# Altium PCB CU-ON-OFF-V2-08-11-18.PcbDoc (part 14 of 14)
Units mm, origin at the board's own origin, x right, y up, seen from the top; angles counter-clockwise.
Board outline 213 x 122.62 mm, 2 copper layers (Top Layer, Bottom Layer); 304 components, 53 nets, 991 pads, 702 vias.
Unrouted connection lines stored in the file: 1.
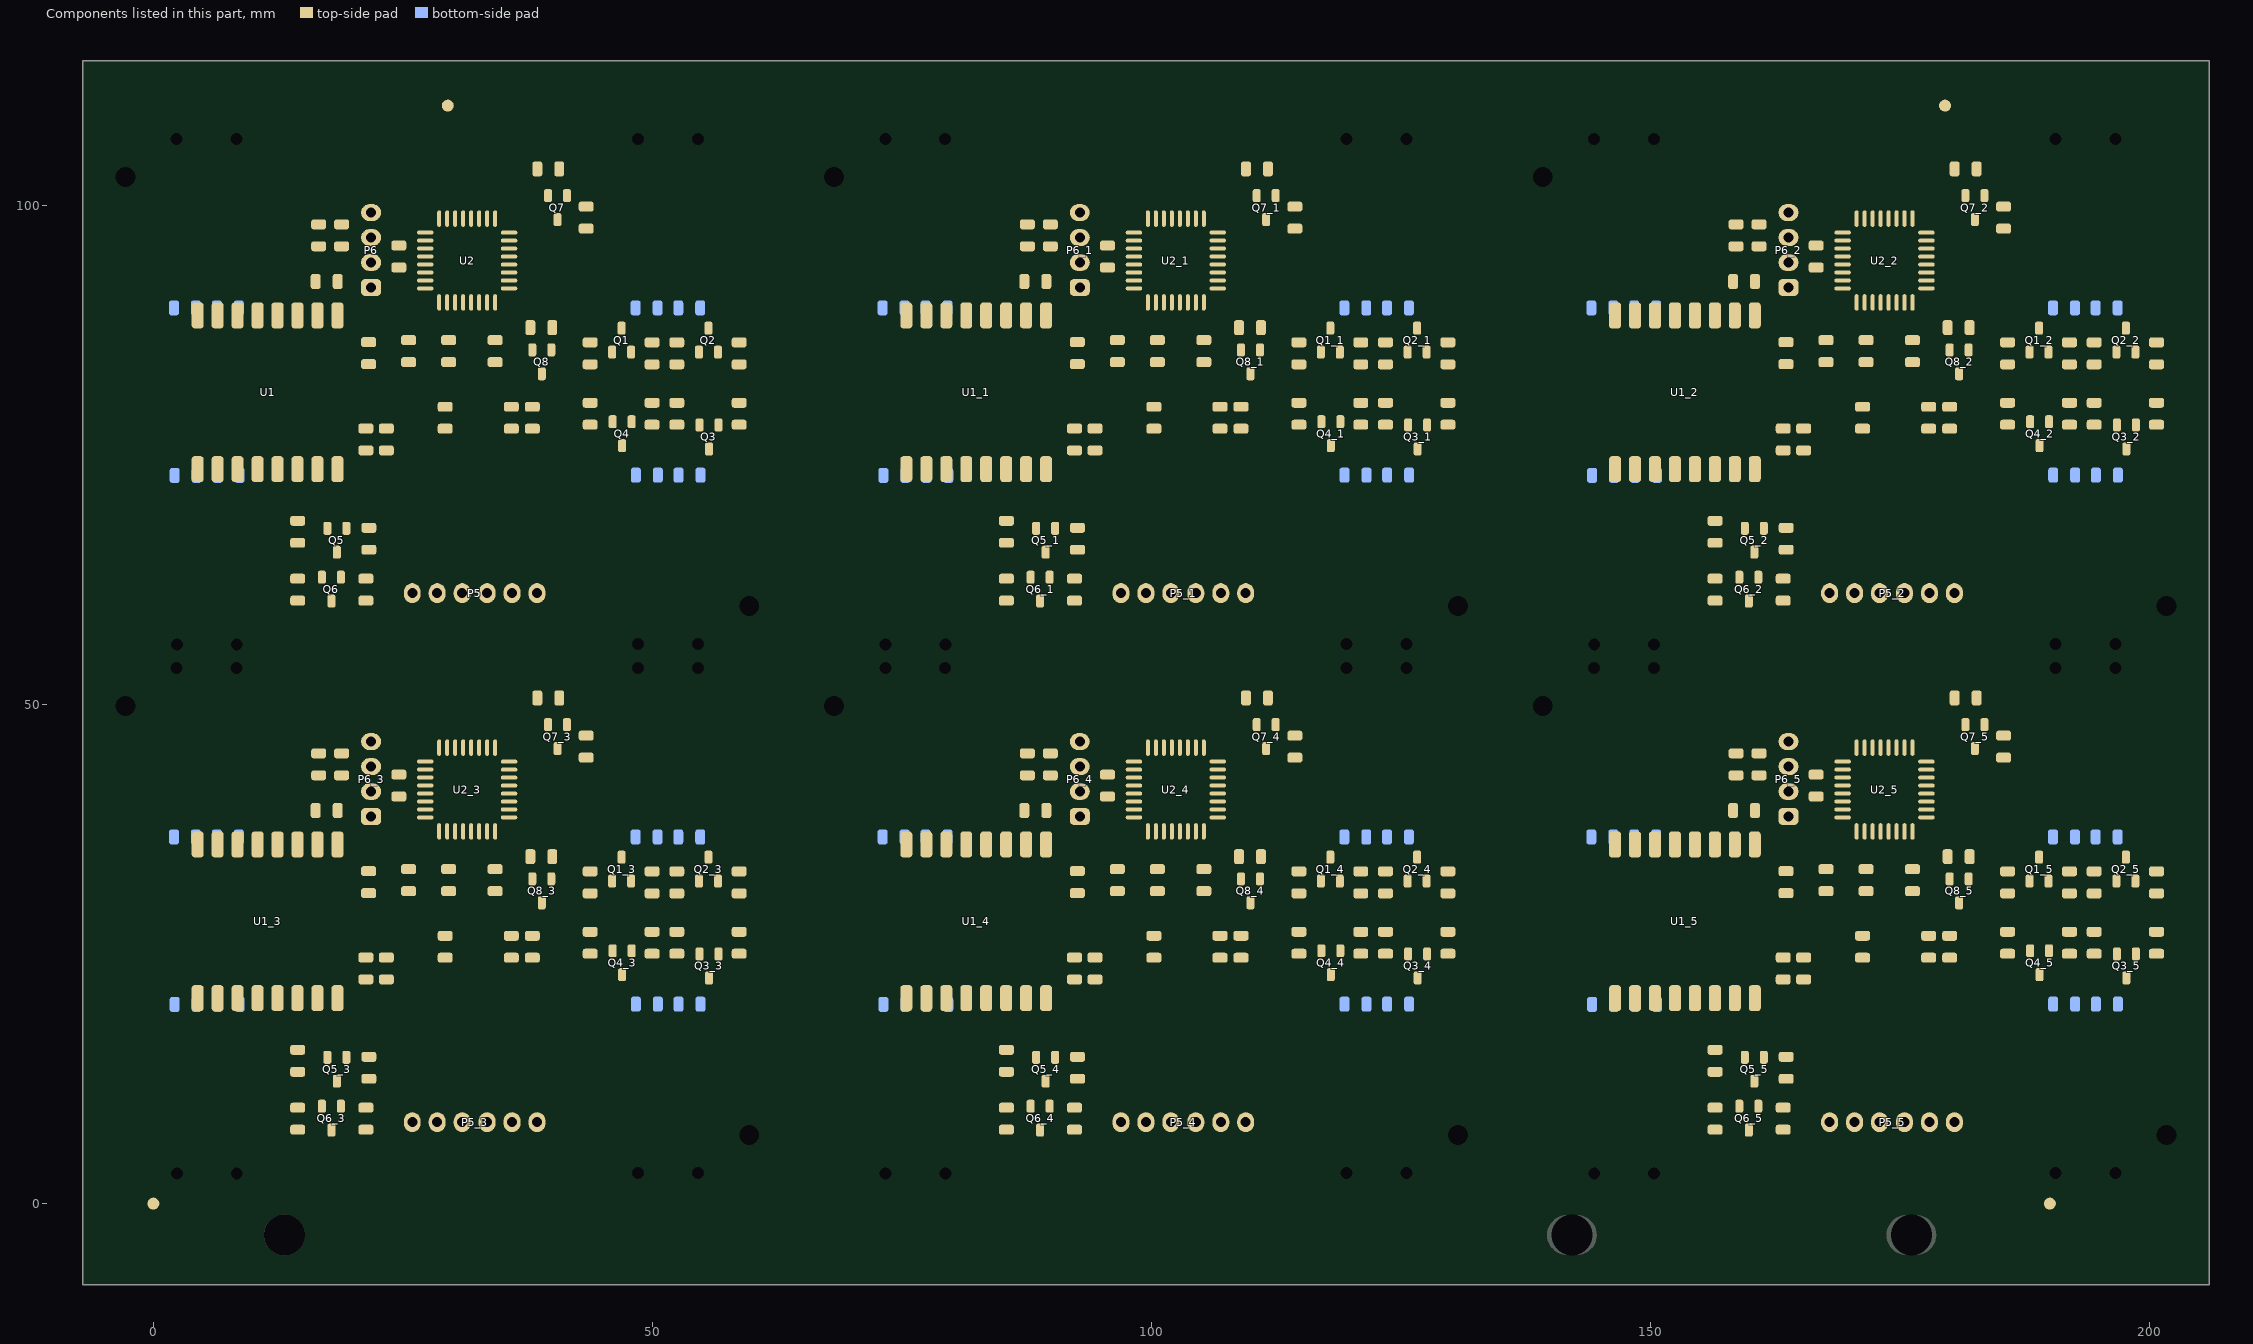
[diagram p14: the components of this part, seen from the top]

## Silkscreen, mask and mechanical layers (free items; w line width, h text height)
Top Overlay:
  rectangle: 151.266,32.807 153.666,34.132
  rectangle: 147.216,34.307 147.666,37.707
  rectangle: 149.216,34.307 149.666,37.707
  rectangle: 151.216,34.307 151.666,37.707
  rectangle: 153.216,34.307 153.666,37.707
  rectangle: 155.216,34.307 155.666,37.707
  rectangle: 157.216,34.307 157.666,37.707
  rectangle: 159.216,34.307 159.666,37.707
  rectangle: 147.216,18.832 147.666,22.182
  rectangle: 149.216,18.832 149.666,22.182
  rectangle: 151.216,18.832 151.666,22.182
  rectangle: 153.216,18.832 153.666,22.182
  rectangle: 155.216,18.832 155.666,22.182
  rectangle: 157.216,18.832 157.666,22.182
  rectangle: 159.216,18.832 159.666,22.182
  rectangle: 80.266,32.807 82.666,34.132
  rectangle: 76.216,34.307 76.666,37.707
  rectangle: 78.216,34.307 78.666,37.707
  rectangle: 80.216,34.307 80.666,37.707
  rectangle: 82.216,34.307 82.666,37.707
  rectangle: 84.216,34.307 84.666,37.707
  rectangle: 86.216,34.307 86.666,37.707
  rectangle: 88.216,34.307 88.666,37.707
  rectangle: 76.216,18.832 76.666,22.182
  rectangle: 78.216,18.832 78.666,22.182
  rectangle: 80.216,18.832 80.666,22.182
  rectangle: 82.216,18.832 82.666,22.182
  rectangle: 84.216,18.832 84.666,22.182
  rectangle: 86.216,18.832 86.666,22.182
  rectangle: 88.216,18.832 88.666,22.182
  rectangle: 9.266,32.807 11.666,34.132
  rectangle: 5.216,34.307 5.666,37.707
  rectangle: 7.216,34.307 7.666,37.707
  rectangle: 9.216,34.307 9.666,37.707
  rectangle: 11.216,34.307 11.666,37.707
  rectangle: 13.216,34.307 13.666,37.707
  rectangle: 15.216,34.307 15.666,37.707
  rectangle: 17.216,34.307 17.666,37.707
  rectangle: 5.216,18.832 5.666,22.182
  rectangle: 7.216,18.832 7.666,22.182
  rectangle: 9.216,18.832 9.666,22.182
  rectangle: 11.216,18.832 11.666,22.182
  rectangle: 13.216,18.832 13.666,22.182
  rectangle: 15.216,18.832 15.666,22.182
  rectangle: 17.216,18.832 17.666,22.182
  rectangle: 151.266,85.806 153.666,87.131
  rectangle: 147.216,87.306 147.666,90.706
  rectangle: 149.216,87.306 149.666,90.706
  rectangle: 151.216,87.306 151.666,90.706
  rectangle: 153.216,87.306 153.666,90.706
  rectangle: 155.216,87.306 155.666,90.706
  rectangle: 157.216,87.306 157.666,90.706
  rectangle: 159.216,87.306 159.666,90.706
  rectangle: 147.216,71.831 147.666,75.181
  rectangle: 149.216,71.831 149.666,75.181
  rectangle: 151.216,71.831 151.666,75.181
  rectangle: 153.216,71.831 153.666,75.181
  rectangle: 155.216,71.831 155.666,75.181
  rectangle: 157.216,71.831 157.666,75.181
  rectangle: 159.216,71.831 159.666,75.181
  rectangle: 80.266,85.806 82.666,87.131
  rectangle: 76.216,87.306 76.666,90.706
  rectangle: 78.216,87.306 78.666,90.706
  rectangle: 80.216,87.306 80.666,90.706
  rectangle: 82.216,87.306 82.666,90.706
  rectangle: 84.216,87.306 84.666,90.706
  rectangle: 86.216,87.306 86.666,90.706
  rectangle: 88.216,87.306 88.666,90.706
  rectangle: 76.216,71.831 76.666,75.181
  rectangle: 78.216,71.831 78.666,75.181
  rectangle: 80.216,71.831 80.666,75.181
  rectangle: 82.216,71.831 82.666,75.181
  rectangle: 84.216,71.831 84.666,75.181
  rectangle: 86.216,71.831 86.666,75.181
  rectangle: 88.216,71.831 88.666,75.181
  rectangle: 17.216,71.831 17.666,75.181
  rectangle: 15.216,71.831 15.666,75.181
  rectangle: 13.216,71.831 13.666,75.181
  rectangle: 11.216,71.831 11.666,75.181
  rectangle: 9.216,71.831 9.666,75.181
  rectangle: 7.216,71.831 7.666,75.181
  rectangle: 5.216,71.831 5.666,75.181
  rectangle: 17.216,87.306 17.666,90.706
  rectangle: 15.216,87.306 15.666,90.706
  rectangle: 13.216,87.306 13.666,90.706
  rectangle: 11.216,87.306 11.666,90.706
  rectangle: 9.216,87.306 9.666,90.706
  rectangle: 7.216,87.306 7.666,90.706
  rectangle: 5.216,87.306 5.666,90.706
  rectangle: 9.266,85.806 11.666,87.131
  lines w0.2: -4.55,4.351 61.45,4.351 61.45,52.351 -4.55,52.351 -4.55,4.351 ; -4.55,57.35 -4.55,105.35 61.45,105.35 61.45,57.35 -4.55,57.35 ; 66.45,4.351 132.45,4.351 132.45,52.351 66.45,52.351 66.45,4.351 ; 66.45,57.35 132.45,57.35 132.45,105.35 66.45,105.35 66.45,57.35 ; 137.45,4.351 203.45,4.351 203.45,52.351 137.45,52.351 137.45,4.351 ; 137.45,57.35 203.45,57.35 203.45,105.35 137.45,105.35 137.45,57.35
  lines w1: 37.685,-4.649 37.685,-1.149 ; 38.36,109.499 38.36,112.999 ; 162.01,109.649 162.01,113.149 ; 163.86,-3.874 163.86,-0.374 ; 37.685,-1.149 39.185,-2.649 ; 37.685,-1.149 36.185,-2.649 39.185,-2.649 ; 38.36,112.999 36.86,111.499 39.86,111.499 ; 38.36,112.999 39.86,111.499 ; 39.185,-2.649 39.185,-2.649 ; 39.86,111.499 39.86,111.499 ; 162.01,113.149 160.51,111.649 163.51,111.649 ; 162.01,113.149 163.51,111.649 ; 163.51,111.649 163.51,111.649 ; 163.86,-0.374 165.36,-1.874 ; 163.86,-0.374 162.36,-1.874 165.36,-1.874 ; 165.36,-1.874 165.36,-1.874
  text "DR-ON-OFF-V2" at 83.975,109.975 h4.5
  text "R15" at 31.975,103.4 h0.8
  text "R15" at 102.975,103.4 h0.8
  text "R15" at 173.975,103.4 h0.8
  text "BK" at 21.316,102.431 h0.7
  text "BK" at 92.316,102.431 h0.7
  text "BK" at 163.316,102.431 h0.7
  text "RSET" at 20.741,101.331 h0.7
  text "RSET" at 91.741,101.331 h0.7
  text "RSET" at 162.741,101.331 h0.7
  text "U2" at 26.641,100.406 h0.8
  text "U2" at 97.641,100.406 h0.8
  text "U2" at 168.641,100.406 h0.8
  text "C4" at 17.283,99.049 h0.8
  text "C4" at 88.283,99.049 h0.8
  text "C4" at 159.283,99.049 h0.8
  text "R22" at 14.433,98.999 h0.8
  text "R22" at 85.433,98.999 h0.8
  text "R22" at 156.433,98.999 h0.8
  text "Q7" at 41.733,97.074 h0.8 r180
  text "Q7" at 112.733,97.074 h0.8 r180
  text "Q7" at 183.733,97.074 h0.8 r180
  text "R7" at 44.408,96.349 h0.8 r180
  text "R7" at 115.408,96.349 h0.8 r180
  text "R7" at 186.408,96.349 h0.8 r180
  text "C3" at 25.191,92.631 h0.8 r180
  text "C3" at 96.191,92.631 h0.8 r180
  text "C3" at 167.191,92.631 h0.8 r180
  text "GND" at 22.791,89.881 h0.7 r180
  text "GND" at 93.791,89.881 h0.7 r180
  text "GND" at 164.791,89.881 h0.7 r180
  text "Q2" at 55.058,89.299 h0.8
  text "Q2" at 126.058,89.299 h0.8
  text "Q2" at 197.058,89.299 h0.8
  text "R8" at 39.091,89.181 h0.8
  text "R8" at 110.091,89.181 h0.8
  text "R8" at 181.091,89.181 h0.8
  text "Q1" at 46.366,89.006 h0.8
  text "Q1" at 117.366,89.006 h0.8
  text "Q1" at 188.366,89.006 h0.8
  text "VCC" at 22.791,88.606 h0.7 r180
  text "VCC" at 93.791,88.606 h0.7 r180
  text "VCC" at 164.791,88.606 h0.7 r180
  text "R9" at 49.291,88.181 h0.8
  text "R9" at 120.291,88.181 h0.8
  text "R9" at 191.291,88.181 h0.8
  text "R18" at 33.216,87.781 h0.8
  text "R18" at 104.216,87.781 h0.8
  text "R18" at 175.216,87.781 h0.8
  text "R2" at 51.816,87.406 h0.8
  text "R2" at 122.816,87.406 h0.8
  text "R2" at 193.816,87.406 h0.8
  text "R10" at 60.125,87.375 h0.8 r270
  text "R10" at 131.125,87.375 h0.8 r270
  text "R10" at 202.125,87.375 h0.8 r270
  text "R20" at 26.841,86.431 h0.8 r270
  text "R20" at 97.841,86.431 h0.8 r270
  text "R20" at 168.841,86.431 h0.8 r270
  text "R17" at 30.941,86.356 h0.8 r270
  text "R17" at 101.941,86.356 h0.8 r270
  text "R17" at 172.941,86.356 h0.8 r270
  text "R19" at 22.941,86.156 h0.8 r270
  text "R19" at 93.941,86.156 h0.8 r270
  text "R19" at 164.941,86.156 h0.8 r270
  text "Q8" at 36.716,83.656 h0.8 r90
  text "Q8" at 107.716,83.656 h0.8 r90
  text "Q8" at 178.716,83.656 h0.8 r90
  text "R1" at 43.966,82.631 h0.8 r180
  text "R1" at 114.966,82.631 h0.8 r180
  text "R1" at 185.966,82.631 h0.8 r180
  text "U1" at 20.966,81.731 h0.8 r270
  text "U1" at 91.966,81.731 h0.8 r270
  text "U1" at 162.966,81.731 h0.8 r270
  text "R4" at 49.416,81.431 h0.8
  text "R4" at 120.416,81.431 h0.8
  text "R4" at 191.416,81.431 h0.8
  text "R11" at 51.641,81.406 h0.8
  text "R11" at 122.641,81.406 h0.8
  text "R11" at 193.641,81.406 h0.8
  text "C5" at 22.741,79.056 h0.8
  text "C5" at 93.741,79.056 h0.8
  text "C5" at 164.741,79.056 h0.8
  text "C6" at 20.816,79.031 h0.8
  text "C6" at 91.816,79.031 h0.8
  text "C6" at 162.816,79.031 h0.8
  text "R16" at 27.841,77.831 h0.8 r90
  text "R16" at 98.841,77.831 h0.8 r90
  text "R16" at 169.841,77.831 h0.8 r90
  text "R3" at 59.358,76.749 h0.8 r180
  text "R3" at 130.358,76.749 h0.8 r180
  text "R3" at 201.358,76.749 h0.8 r180
  text "R12" at 44.733,76.724 h0.8 r180
  text "R12" at 115.733,76.724 h0.8 r180
  text "R12" at 186.733,76.724 h0.8 r180
  text "C2" at 38.566,76.431 h0.8 r180
  text "C2" at 109.566,76.431 h0.8 r180
  text "C2" at 180.566,76.431 h0.8 r180
  text "C1" at 36.266,76.356 h0.8 r180
  text "C1" at 107.266,76.356 h0.8 r180
  text "C1" at 178.266,76.356 h0.8 r180
  text "Q4" at 47.333,74.324 h0.8 r180
  text "Q4" at 118.333,74.324 h0.8 r180
  text "Q4" at 189.333,74.324 h0.8 r180
  text "Q3" at 56.358,73.874 h0.8 r180
  text "Q3" at 127.358,73.874 h0.8 r180
  text "Q3" at 198.358,73.874 h0.8 r180
  text "R14" at 13.508,69.799 h0.8
  text "R14" at 84.508,69.799 h0.8
  text "R14" at 155.508,69.799 h0.8
  text "R5" at 21.008,69.699 h0.8
  text "R5" at 92.008,69.699 h0.8
  text "R5" at 163.008,69.699 h0.8
  text "Q5" at 17.783,69.649 h0.8
  text "Q5" at 88.783,69.649 h0.8
  text "Q5" at 159.783,69.649 h0.8
  text "CU-ON-OFF-V2" at 46.28,59.386 h1.5 r90
  text "CU-ON-OFF-V2" at 117.279,59.386 h1.5 r90
  text "CU-ON-OFF-V2" at 188.279,59.386 h1.5 r90
  text "R6" at 22.008,58.949 h0.8 r180
  text "R6" at 93.008,58.949 h0.8 r180
  text "R6" at 164.008,58.949 h0.8 r180
  text "P5" at 32.358,58.824 h0.8 r180
  text "P5" at 103.358,58.824 h0.8 r180
  text "P5" at 174.358,58.824 h0.8 r180
  text "Q6" at 18.483,58.724 h0.8 r180
  text "Q6" at 89.483,58.724 h0.8 r180
  text "Q6" at 160.483,58.724 h0.8 r180
  text "R13" at 15.458,58.674 h0.8 r180
  text "R13" at 86.458,58.674 h0.8 r180
  text "R13" at 157.458,58.674 h0.8 r180
  text "SMART LIGHTING" at 44.73,58.511 h1.5 r90
  text "SMART LIGHTING" at 115.729,58.511 h1.5 r90
  text "SMART LIGHTING" at 186.729,58.511 h1.5 r90
  text "R15" at 31.975,50.401 h0.8
  text "R15" at 102.975,50.401 h0.8
  text "R15" at 173.975,50.401 h0.8
  text "BK" at 21.316,49.432 h0.7
  text "BK" at 92.316,49.432 h0.7
  text "BK" at 163.316,49.432 h0.7
  text "RSET" at 20.741,48.332 h0.7
  text "RSET" at 91.741,48.332 h0.7
  text "RSET" at 162.741,48.332 h0.7
  text "U2" at 26.641,47.407 h0.8
  text "U2" at 97.641,47.407 h0.8
  text "U2" at 168.641,47.407 h0.8
  text "C4" at 17.283,46.05 h0.8
  text "C4" at 88.283,46.05 h0.8
  text "C4" at 159.283,46.05 h0.8
  text "R22" at 14.433,46 h0.8
  text "R22" at 85.433,46 h0.8
  text "R22" at 156.433,46 h0.8
  text "Q7" at 41.733,44.075 h0.8 r180
  text "Q7" at 112.733,44.075 h0.8 r180
  text "Q7" at 183.733,44.075 h0.8 r180
  text "R7" at 44.408,43.35 h0.8 r180
  text "R7" at 115.408,43.35 h0.8 r180
  text "R7" at 186.408,43.35 h0.8 r180
  text "C3" at 25.191,39.632 h0.8 r180
  text "C3" at 96.191,39.632 h0.8 r180
  text "C3" at 167.191,39.632 h0.8 r180
  text "GND" at 22.791,36.882 h0.7 r180
  text "GND" at 93.791,36.882 h0.7 r180
  text "GND" at 164.791,36.882 h0.7 r180
  text "Q2" at 55.058,36.3 h0.8
  text "Q2" at 126.058,36.3 h0.8
  text "Q2" at 197.058,36.3 h0.8
  text "R8" at 39.091,36.182 h0.8
  text "R8" at 110.091,36.182 h0.8
  text "R8" at 181.091,36.182 h0.8
  text "Q1" at 46.366,36.007 h0.8
  text "Q1" at 117.366,36.007 h0.8
  text "Q1" at 188.366,36.007 h0.8
  text "VCC" at 22.791,35.607 h0.7 r180
  text "VCC" at 93.791,35.607 h0.7 r180
  text "VCC" at 164.791,35.607 h0.7 r180
  text "R9" at 49.291,35.182 h0.8
  text "R9" at 120.291,35.182 h0.8
  text "R9" at 191.291,35.182 h0.8
  text "R18" at 33.216,34.782 h0.8
  text "R18" at 104.216,34.782 h0.8
  text "R18" at 175.216,34.782 h0.8
  text "R2" at 51.816,34.407 h0.8
  text "R2" at 122.816,34.407 h0.8
  text "R2" at 193.816,34.407 h0.8
  text "R10" at 60.125,34.376 h0.8 r270
  text "R10" at 131.125,34.376 h0.8 r270
  text "R10" at 202.125,34.376 h0.8 r270
  text "R20" at 26.841,33.432 h0.8 r270
  text "R20" at 97.841,33.432 h0.8 r270
  text "R20" at 168.841,33.432 h0.8 r270
  text "R17" at 30.941,33.357 h0.8 r270
  text "R17" at 101.941,33.357 h0.8 r270
  text "R17" at 172.941,33.357 h0.8 r270
  text "R19" at 22.941,33.157 h0.8 r270
  text "R19" at 93.941,33.157 h0.8 r270
  text "R19" at 164.941,33.157 h0.8 r270
  text "Q8" at 36.716,30.657 h0.8 r90
  text "Q8" at 107.716,30.657 h0.8 r90
  text "Q8" at 178.716,30.657 h0.8 r90
  text "R1" at 43.966,29.632 h0.8 r180
  text "R1" at 114.966,29.632 h0.8 r180
  text "R1" at 185.966,29.632 h0.8 r180
  text "U1" at 20.966,28.732 h0.8 r270
  text "U1" at 91.966,28.732 h0.8 r270
  text "U1" at 162.966,28.732 h0.8 r270
  text "R4" at 49.416,28.432 h0.8
  text "R4" at 120.416,28.432 h0.8
  text "R4" at 191.416,28.432 h0.8
  text "R11" at 51.641,28.407 h0.8
  text "R11" at 122.641,28.407 h0.8
  text "R11" at 193.641,28.407 h0.8
  text "C5" at 22.741,26.057 h0.8
  text "C5" at 93.741,26.057 h0.8
  text "C5" at 164.741,26.057 h0.8
  text "C6" at 20.816,26.032 h0.8
  text "C6" at 91.816,26.032 h0.8
  text "C6" at 162.816,26.032 h0.8
  text "R16" at 27.841,24.832 h0.8 r90
  text "R16" at 98.841,24.832 h0.8 r90
  text "R16" at 169.841,24.832 h0.8 r90
  text "R3" at 59.358,23.75 h0.8 r180
  text "R3" at 130.358,23.75 h0.8 r180
  text "R3" at 201.358,23.75 h0.8 r180
  text "R12" at 44.733,23.725 h0.8 r180
  text "R12" at 115.733,23.725 h0.8 r180
  text "R12" at 186.733,23.725 h0.8 r180
  text "C2" at 38.566,23.432 h0.8 r180
  text "C2" at 109.566,23.432 h0.8 r180
  text "C2" at 180.566,23.432 h0.8 r180
  text "C1" at 36.266,23.357 h0.8 r180
  text "C1" at 107.266,23.357 h0.8 r180
  text "C1" at 178.266,23.357 h0.8 r180
  text "Q4" at 47.333,21.325 h0.8 r180
  text "Q4" at 118.333,21.325 h0.8 r180
  text "Q4" at 189.333,21.325 h0.8 r180
  text "Q3" at 56.358,20.875 h0.8 r180
  text "Q3" at 127.358,20.875 h0.8 r180
  text "Q3" at 198.358,20.875 h0.8 r180
  text "R14" at 13.508,16.8 h0.8
  text "R14" at 84.508,16.8 h0.8
  text "R14" at 155.508,16.8 h0.8
  text "R5" at 21.008,16.7 h0.8
  text "R5" at 92.008,16.7 h0.8
  text "R5" at 163.008,16.7 h0.8
  text "Q5" at 17.783,16.65 h0.8
  text "Q5" at 88.783,16.65 h0.8
  text "Q5" at 159.783,16.65 h0.8
  text "CU-ON-OFF-V2" at 46.28,6.387 h1.5 r90
  text "CU-ON-OFF-V2" at 117.279,6.387 h1.5 r90
  text "CU-ON-OFF-V2" at 188.279,6.387 h1.5 r90
  text "R6" at 22.008,5.95 h0.8 r180
  text "R6" at 93.008,5.95 h0.8 r180
  text "R6" at 164.008,5.95 h0.8 r180
  text "P5" at 32.358,5.825 h0.8 r180
  text "P5" at 103.358,5.825 h0.8 r180
  text "P5" at 174.358,5.825 h0.8 r180
  text "Q6" at 18.483,5.725 h0.8 r180
  text "Q6" at 89.483,5.725 h0.8 r180
  text "Q6" at 160.483,5.725 h0.8 r180
  text "R13" at 15.458,5.675 h0.8 r180
  text "R13" at 86.458,5.675 h0.8 r180
  text "R13" at 157.458,5.675 h0.8 r180
  text "SMART LIGHTING" at 44.73,5.512 h1.5 r90
  text "SMART LIGHTING" at 115.729,5.512 h1.5 r90
  text "SMART LIGHTING" at 186.729,5.512 h1.5 r90
  text "DR-ON-OFF-V2" at 90.25,-4.125 h4.5
Bottom Overlay:
  drawing of 456 lines, arcs and shapes, not listed
  text "D1" at 46.666,90.381 h0.8 r90
  text "D1" at 117.666,90.381 h0.8 r90
  text "D1" at 188.666,90.381 h0.8 r90
  text "D7" at 6.983,87.911 h0.8 r180
  text "D7" at 77.983,87.911 h0.8 r180
  text "D7" at 148.983,87.911 h0.8 r180
  text "D2" at 53.055,87.823 h0.8 r180
  text "D2" at 124.055,87.823 h0.8 r180
  text "D2" at 195.055,87.823 h0.8 r180
  text "D8" at 3.739,87.111 h0.8
  text "D8" at 74.739,87.111 h0.8
  text "D8" at 145.739,87.111 h0.8
  text "D6" at 8.108,74.888 h0.8
  text "D6" at 79.108,74.888 h0.8
  text "D6" at 150.108,74.888 h0.8
  text "D5" at 3.858,74.863 h0.8
  text "D5" at 74.858,74.863 h0.8
  text "D5" at 145.858,74.863 h0.8
  text "D4" at 49.516,74.806 h0.8
  text "D4" at 120.516,74.806 h0.8
  text "D4" at 191.516,74.806 h0.8
  text "D3" at 57.316,73.706 h0.8 r90
  text "D3" at 128.316,73.706 h0.8 r90
  text "D3" at 199.316,73.706 h0.8 r90
  text "SMART LIGHTING" at 37.21,65.211 h1.5
  text "SMART LIGHTING" at 108.21,65.211 h1.5
  text "SMART LIGHTING" at 179.21,65.211 h1.5
  text "CU-ON-OFF-V2" at 36.285,63.636 h1.5
  text "CU-ON-OFF-V2" at 107.285,63.636 h1.5
  text "CU-ON-OFF-V2" at 178.285,63.636 h1.5
  text "D1" at 46.666,37.382 h0.8 r90
  text "D1" at 117.666,37.382 h0.8 r90
  text "D1" at 188.666,37.382 h0.8 r90
  text "D7" at 6.983,34.912 h0.8 r180
  text "D7" at 77.983,34.912 h0.8 r180
  text "D7" at 148.983,34.912 h0.8 r180
  text "D2" at 53.055,34.824 h0.8 r180
  text "D2" at 124.055,34.824 h0.8 r180
  text "D2" at 195.055,34.824 h0.8 r180
  text "D8" at 3.739,34.112 h0.8
  text "D8" at 74.739,34.112 h0.8
  text "D8" at 145.739,34.112 h0.8
  text "D6" at 8.108,21.889 h0.8
  text "D6" at 79.108,21.889 h0.8
  text "D6" at 150.108,21.889 h0.8
  text "D5" at 3.858,21.864 h0.8
  text "D5" at 74.858,21.864 h0.8
  text "D5" at 145.858,21.864 h0.8
  text "D4" at 49.516,21.807 h0.8
  text "D4" at 120.516,21.807 h0.8
  text "D4" at 191.516,21.807 h0.8
  text "D3" at 57.316,20.707 h0.8 r90
  text "D3" at 128.316,20.707 h0.8 r90
  text "D3" at 199.316,20.707 h0.8 r90
  text "SMART LIGHTING" at 37.21,12.212 h1.5
  text "SMART LIGHTING" at 108.21,12.212 h1.5
  text "SMART LIGHTING" at 179.21,12.212 h1.5
  text "CU-ON-OFF-V2" at 36.285,10.637 h1.5
  text "CU-ON-OFF-V2" at 107.285,10.637 h1.5
  text "CU-ON-OFF-V2" at 178.285,10.637 h1.5
Bottom Solder:
  circle w0.3: c147.333,45.85 r5.25
  circle w0.3: c147.358,10.825 r5.25
  circle w0.3: c193.558,10.85 r5.25
  circle w0.3: c193.558,45.85 r5.25
  circle w0.3: c147.333,45.85 r5.25
  circle w0.3: c147.358,10.825 r5.25
  circle w0.3: c193.558,10.85 r5.25
  circle w0.3: c193.558,45.85 r5.25
  circle w0.3: c76.333,45.85 r5.25
  circle w0.3: c76.358,10.825 r5.25
  circle w0.3: c122.558,10.85 r5.25
  circle w0.3: c122.558,45.85 r5.25
  circle w0.3: c76.333,45.85 r5.25
  circle w0.3: c76.358,10.825 r5.25
  circle w0.3: c122.558,10.85 r5.25
  circle w0.3: c122.558,45.85 r5.25
  circle w0.3: c5.333,45.85 r5.25
  circle w0.3: c5.358,10.825 r5.25
  circle w0.3: c51.558,10.85 r5.25
  circle w0.3: c51.558,45.85 r5.25
  circle w0.3: c5.333,45.85 r5.25
  circle w0.3: c5.358,10.825 r5.25
  circle w0.3: c51.558,10.85 r5.25
  circle w0.3: c51.558,45.85 r5.25
  circle w0.3: c147.333,98.849 r5.25
  circle w0.3: c147.358,63.824 r5.25
  circle w0.3: c193.558,63.849 r5.25
  circle w0.3: c193.558,98.849 r5.25
  circle w0.3: c147.333,98.849 r5.25
  circle w0.3: c147.358,63.824 r5.25
  circle w0.3: c193.558,63.849 r5.25
  circle w0.3: c193.558,98.849 r5.25
  circle w0.3: c76.333,98.849 r5.25
  circle w0.3: c76.358,63.824 r5.25
  circle w0.3: c122.558,63.849 r5.25
  circle w0.3: c122.558,98.849 r5.25
  circle w0.3: c76.333,98.849 r5.25
  circle w0.3: c76.358,63.824 r5.25
  circle w0.3: c122.558,63.849 r5.25
  circle w0.3: c122.558,98.849 r5.25
  circle w0.3: c51.558,98.849 r5.25
  circle w0.3: c51.558,63.849 r5.25
  circle w0.3: c5.358,63.824 r5.25
  circle w0.3: c5.333,98.849 r5.25
  circle w0.3: c51.558,98.849 r5.25
  circle w0.3: c51.558,63.849 r5.25
  circle w0.3: c5.358,63.824 r5.25
  circle w0.3: c5.333,98.849 r5.25